# Altium PCB 12_fit_switch - 副本.PcbDoc (part 5 of 5)
Units mm, origin at the board's own origin, x right, y up, seen from the top; angles counter-clockwise.
Board outline 240 x 160 mm, 2 copper layers (TopLayer, BottomLayer), stack 1.6 mm thick; 457 components, 315 nets, 1374 pads, 212 vias.
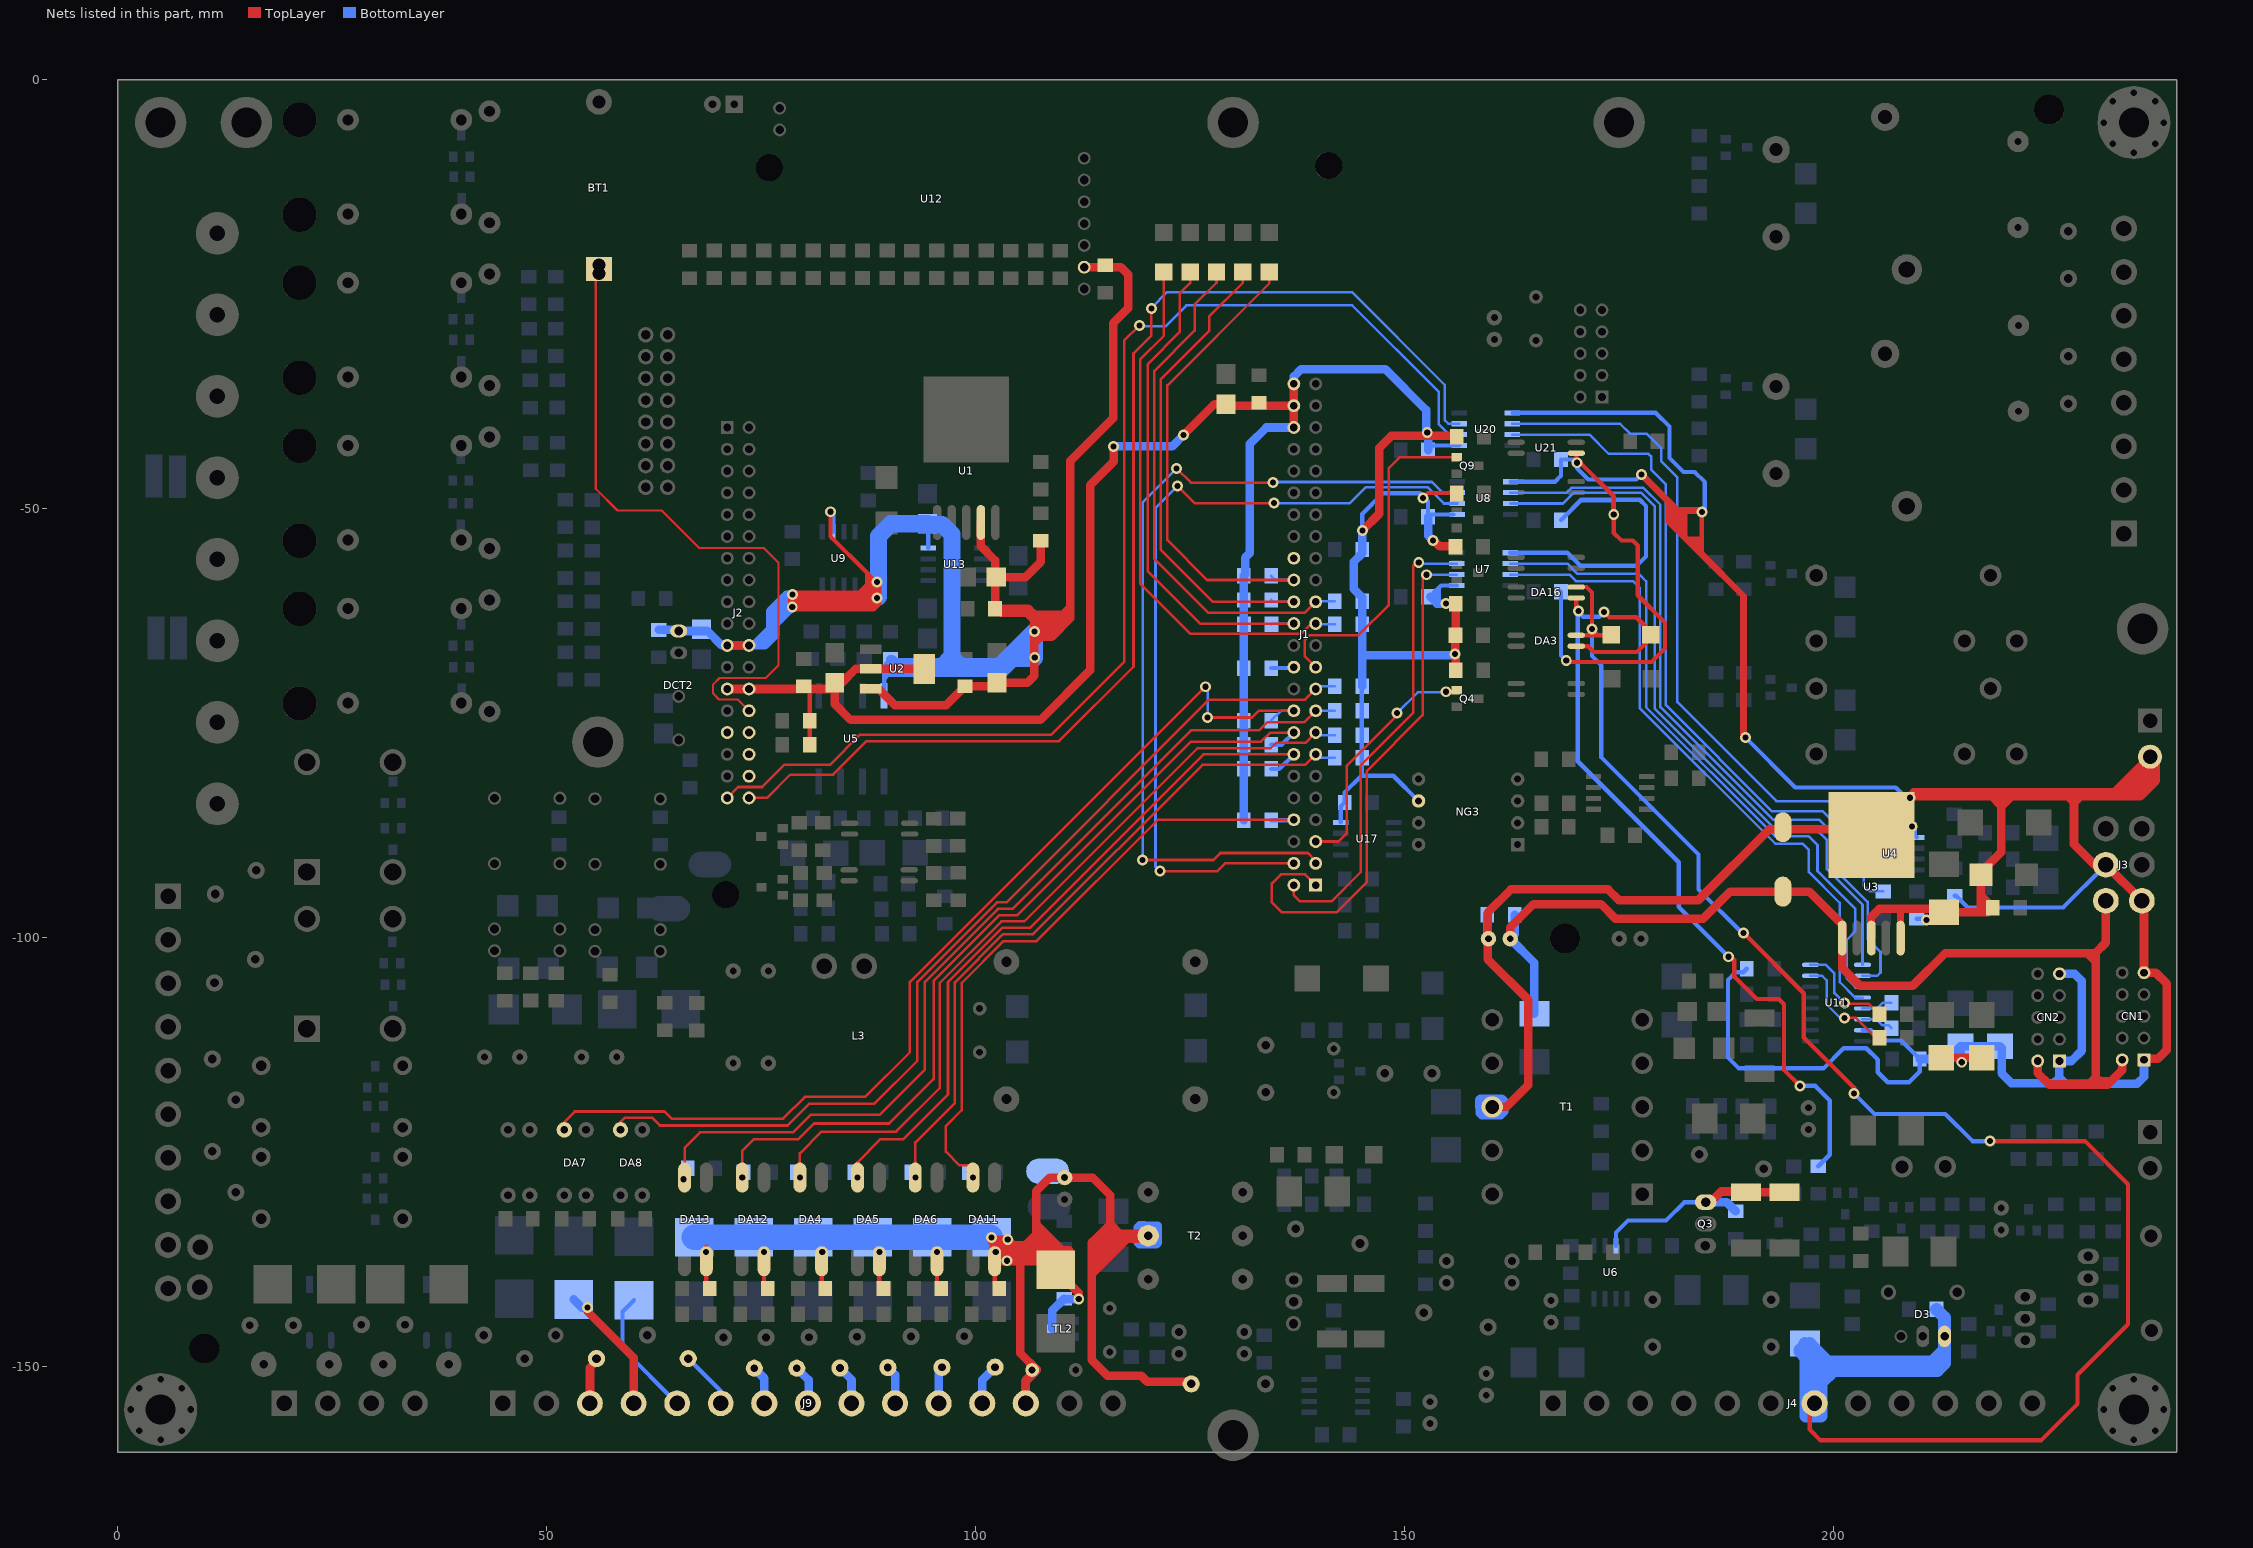
[diagram p5: the nets of this part, all layers, seen from the top]

## Via types
v1: diameter 1.27, hole 0.711, TopLayer to BottomLayer, 195 vias
v2: diameter 1, hole 0.5, TopLayer to BottomLayer, 9 vias
v3: diameter 1.2, hole 0.8, TopLayer to BottomLayer, 7 vias
v4: diameter 1.5, hole 0.8, TopLayer to BottomLayer, 1 vias

## Nets (pads, with @x,y where several pads share a name; then routed paths per layer and width w, separated by ;. In a path a pad name is that pad's centre, name@x,y a point inside that pad or via, vN(x,y) a via of type N, cw(c..) or ccw(c..) an arc to the next point about the centre after c; other vN are vias at no path point) (continued)
PWRCLSA: J1.5 Q4.1 | length 28.1
  TopLayer w0.3: J1.5@139.624,-88.8 142.264,-88.8 143.256,-87.808 143.256,-79.959 v1@149.022,-74.193 ; v1@154.813,-71.425 155.839,-71.425 Q4.1@156.078,-71.186
  BottomLayer w0.3: v1(149.098,-73.838) 151.536,-71.399 v1@154.813,-71.399
  other v1: 154.813,-71.349
REV1: J2.30
REV2: J2.32
REV3: J2.29
RRXD3: U8.6 U11.10 | length 89.1
  BottomLayer w0.3: U8.6@162.333,-48.133 168.875,-48.133 169.438,-47.57 177.83,-47.57 179.807,-49.546 179.807,-73.121 192.969,-86.284 198.323,-86.284 199.949,-87.909 199.949,-91.821 203.96,-95.832 203.96,-100.15 205.461,-101.651 205.461,-104.089 205.105,-104.445 U11.10@203.36,-104.445
RRXD4: U7.6 U11.11 | length 78.1
  BottomLayer w0.3: U7.6@162.282,-56.413 168.961,-56.413 170.155,-57.607 177.292,-57.607 178.156,-58.471 178.156,-73.167 193.152,-88.163 197.079,-88.163 198.12,-89.205 198.12,-92.253 202.54,-96.672 202.54,-99.238 201.524,-100.254 201.524,-104.75 202.489,-105.715 U11.11@203.36,-105.715
RXD485: R105.2 U4.1 U20.7 | length 84.6
  BottomLayer w0.3: U20.7@162.561,-41.377 171.552,-41.377 173.787,-43.612 178.41,-43.612 178.714,-43.917 178.714,-45.441 180.442,-47.168 180.442,-72.907 192.822,-85.288 198.75,-85.288 200.762,-87.3 200.762,-91.288 201.6,-92.126 U4.1@203.504,-92.126 203.504,-93.903 204.216,-94.615 R105.2@205.791,-94.615
RXD2323: R112.1 U11.7 | length 12.8
  TopLayer w0.3: v1@201.244,-109.601 201.498,-109.347 202.591,-109.347 R112.1@205.334,-112.09
  BottomLayer w0.3: U11.7@197.3,-104.445 198.653,-104.445 199.194,-104.985 199.194,-107.779 v1@201.003,-109.588
  other v1: 201.244,-109.347
RXD2324: R109.1 U11.14 | length 3.8
  BottomLayer w0.3: U11.14@203.36,-109.525 204.978,-109.525 205.689,-110.236 206.426,-110.236 R109.1@206.731,-110.541
SHD-: D4.1 DA3.3 DA16.3 R9.2 | length 102.2
  TopLayer w0.5: DA3.3@169.997,-66.03 171.364,-66.03 172.034,-66.7 177.063,-66.7 178.678,-65.086 D4.1@178.678,-64.719 178.678,-64.352 176.987,-62.662 173.863,-62.662 v1(173.253,-62.052) ; v1@169.997,-61.59 DA16.3@169.997,-60.406 ; v1(187.757,-102.235) 187.808,-102.184 187.808,-102.235 188.036,-102.235 188.417,-102.616 188.417,-104.547 191.033,-107.163 193.599,-107.163 194.208,-107.772 194.208,-115.418 v1(196.063,-117.272) v1@195.758,-117.272
  BottomLayer w0.5: v1(173.253,-62.052) 172.695,-62.611 170.79,-62.611 170.18,-62.001 170.18,-79.451 181.94,-91.211 181.94,-96.418 v1(187.757,-102.235) ; v1@195.758,-117.272 v1(196.063,-117.272) 197.841,-117.272 199.542,-118.974 199.542,-125.298 R9.2@198.196,-126.645
  other v1: 170.256,-61.925
SPI1_MOSI: J1.32
TTXD3: U8.7 U11.9 | length 84.4
  BottomLayer w0.3: U8.7@162.333,-49.403 168.453,-49.403 169.687,-48.17 177.582,-48.17 179.172,-49.759 179.172,-73.335 193.061,-87.224 197.79,-87.224 199.212,-88.646 199.212,-92.017 203.36,-96.164 U11.9@203.36,-103.175 ; U8.7@162.772,-49.323 U8.7@162.929,-49.479
TTXD4: U7.7 U11.12 | length 76.6
  BottomLayer w0.3: U7.7@162.282,-57.683 169.189,-57.683 169.951,-58.445 176.632,-58.445 177.419,-59.233 177.419,-73.279 193.192,-89.052 196.367,-89.052 197.104,-89.789 197.104,-92.354 200.711,-95.961 200.711,-105.181 202.514,-106.985 U11.12@203.36,-106.985
TX_24V: C26.1 C27.1 C53.1 CN1.2 CN2.2 D44.2 J3.5 U3.1 | length 136.9
  TopLayer w1: C53.1@162.001,-100.127 162.281,-99.847 162.281,-98.831 165.024,-96.088 172.872,-96.088 174.574,-97.79 184.785,-97.79 187.944,-94.631 C27.1@194.081,-94.631 197.146,-94.631 200.99,-98.476 U3.1@200.99,-100.051 200.99,-103.556 203.048,-105.613 209.22,-105.613 213.03,-101.803 229.565,-101.803 ; CN2.2@223.774,-114.376 223.774,-115.773 225.12,-117.119 229.718,-117.119 ; 231.546,-117.119 231.419,-117.119 ; J3.5@231.724,-95.707 231.724,-100.609 230.53,-101.803 ; CN1.2@233.629,-114.249 233.629,-115.443 232.334,-116.738 ; 229.565,-101.803 230.53,-102.768 ; 229.565,-101.803 230.53,-101.803 ; 229.718,-117.119 230.53,-116.307 ; 229.718,-117.119 230.581,-117.119 ; 230.53,-116.307 230.53,-117.069 230.581,-117.119 ; 230.53,-116.307 230.962,-116.738 ; 230.53,-116.307 230.53,-116.23 ; 230.53,-116.23 230.53,-102.768 ; 230.53,-116.23 231.038,-116.738 ; 230.53,-102.768 230.53,-101.803 ; 230.581,-117.119 231.343,-117.119 ; 230.962,-116.738 231.343,-117.119 ; 230.962,-116.738 231.038,-116.738 ; 231.038,-116.738 232.334,-116.738 ; 231.038,-116.738 231.419,-117.119 ; 231.343,-117.119 231.419,-117.119 ; 231.419,-117.119 231.953,-117.119 232.334,-116.738
  BottomLayer w1: C26.1@162.839,-97.333 162.839,-99.594 C53.1@162.306,-100.127 165.126,-102.946 D44.2@165.126,-108.858
TX_GND: C1.1 C12.2 C26.2 C27.2 C42.1 C45.1 C53.2 C58.1 C67.1 C71.1 C72.1 CN1.1 CN1.9 CN2.1 CN2.9 COX2.2 D40.1 D41.1 D42.1 D43.1 D45.1 J3.3 J3.6 R106.1 T1.8 U3.3 U3.5 U4.5 U7.5 U8.5 U11.15 U20.5 U21.3 | length 670.6
  TopLayer w0.5: v1(168.834,-67.716) 168.478,-67.716 168.631,-67.869 178.765,-67.869 180.34,-66.294 180.34,-63.271 177.165,-60.096 177.165,-54.305 176.581,-53.721 175.26,-53.721 174.371,-52.832 v1(174.371,-50.698) 174.371,-48.565 170.485,-44.679 v1@170.078,-44.679 ; U21.3@169.997,-43.536 v1@169.997,-44.699 ; v1(170.078,-44.653) v1@170.078,-44.679 ; v1(189.713,-76.683) v1@189.662,-76.632 ; v1(210.82,-97.942) 211.943,-97.942 D45.1@212.852,-97.034 ; v1@169.997,-44.699 170.028,-44.729 v1@170.058,-44.699 ; v1@169.997,-44.699 v1@170.058,-44.699 ; v1@170.058,-44.699 v1@170.078,-44.679 ; v1(177.597,-45.999) 180.67,-49.073 180.67,-49.301 ; v1(177.597,-45.999) 177.597,-46.228 180.67,-49.301 ; v1(177.597,-45.999) 177.775,-45.999 181.839,-50.063 ; 180.67,-50.241 180.823,-50.394 181.051,-50.394 ; 180.67,-50.241 180.67,-51.562 183.197,-54.089 ; 180.67,-50.241 180.67,-49.301 ; 180.67,-49.301 181.051,-49.682 ; 181.051,-50.394 181.051,-51.562 181.534,-52.045 ; 181.051,-50.394 181.051,-49.682 ; 181.051,-50.394 181.534,-50.394 ; 181.051,-49.682 181.432,-50.063 181.839,-50.063 ; 181.534,-52.045 181.534,-50.394 ; 181.534,-52.045 181.889,-52.4 ; 181.534,-50.394 181.889,-50.394 ; 181.839,-50.063 184.48,-50.063 184.48,-50.241 v1(184.633,-50.394) ; 181.889,-52.4 181.889,-50.394 ; 181.889,-52.4 182.118,-52.629 ; 181.889,-50.394 182.321,-50.394 ; 182.118,-52.629 182.118,-51.003 182.321,-50.8 ; 182.118,-52.629 182.321,-52.832 ; 182.321,-52.832 182.715,-53.226 ; 182.321,-52.832 182.321,-50.8 ; 182.321,-50.8 182.321,-50.394 ; 182.321,-50.8 182.728,-50.394 ; 182.321,-50.394 182.728,-50.394 ; 182.715,-53.226 182.728,-53.213 182.728,-50.394 ; 182.715,-53.226 182.969,-53.48 ; 182.728,-50.394 v1(184.633,-50.394) ; 182.969,-53.48 184.62,-53.48 184.633,-53.492 ; 182.969,-53.48 183.21,-53.721 ; 183.197,-54.089 183.578,-54.089 ; 183.197,-54.089 184.569,-55.461 ; 183.21,-53.721 183.578,-54.089 ; 183.21,-53.721 184.125,-53.721 ; 183.578,-54.089 184.493,-54.089 ; 183.578,-54.089 183.769,-54.28 ; 183.769,-54.28 184.582,-54.28 184.633,-54.331 ; 183.769,-54.28 184.633,-55.143 ; 184.125,-53.721 184.493,-54.089 ; 184.125,-53.721 184.404,-53.721 184.633,-53.492 ; 184.493,-54.089 184.633,-53.95 ; 184.569,-55.461 184.633,-55.397 184.633,-55.143 ; 184.569,-55.461 189.306,-60.198 189.306,-76.276 v1@189.662,-76.632 ; 184.633,-55.143 189.662,-60.173 v1@189.662,-76.632 ; 184.633,-55.143 184.633,-54.331 ; 184.633,-54.331 184.633,-53.95 ; 184.633,-53.95 184.633,-53.492 ; 184.633,-53.492 v1(184.633,-50.394)
  TopLayer w0.8: U3.5@207.794,-100.051 207.794,-96.803
  TopLayer w1: T1.8@160.198,-119.736 161.849,-119.736 164.393,-117.191 164.393,-107.243 159.69,-102.54 159.69,-97.079 162.382,-94.386 173.711,-94.386 174.981,-95.656 184.226,-95.656 192.507,-87.376 203.719,-87.376 U3.3@204.394,-88.051 ; U3.3@204.39,-100.051 204.39,-97.59 205.334,-96.647 212.465,-96.647 D45.1@212.852,-97.034 ; U3.3@204.39,-88.054 U3.3@204.394,-88.051 ; D42.1@212.547,-114.006 v1@215.036,-114.006 ; D45.1@212.903,-97.085 D45.1@212.852,-97.034 ; v1(214.935,-114.529) 214.935,-114.108 v1@215.036,-114.006 ; D43.1@217.246,-114.006 v1@215.036,-114.006 ; CN1.1@236.245,-114.325 CN1.1@236.169,-114.249 236.296,-114.122 237.795,-114.122 238.811,-113.106 238.811,-105.359 237.541,-104.089 CN1.9@236.169,-104.089 236.169,-95.952 J3.6@235.924,-95.707 J3.3@231.724,-91.507 230.394,-91.507 228.016,-89.129 228.016,-84.252 ; U3.3@204.394,-88.051 U3.3@208.909,-83.535 ; U3.3@208.909,-83.535 209.361,-83.083 219.431,-83.083 ; U3.3@208.909,-83.535 218.44,-83.535 ; D45.1@212.852,-97.034 217.297,-97.034 ; 217.16,-96.368 217.287,-96.495 C1.1@218.542,-96.495 ; 217.16,-96.368 217.16,-96.897 217.297,-97.034 ; 217.16,-96.368 217.16,-95.113 ; 217.16,-95.113 C12.2@217.16,-92.685 217.16,-92.39 219.532,-90.018 219.532,-84.627 ; 217.16,-95.113 C1.1@218.542,-96.495 ; 217.297,-97.034 218.002,-97.034 C1.1@218.542,-96.495 ; 218.44,-83.535 219.532,-84.627 ; 218.44,-83.535 219.532,-83.535 ; 219.431,-83.083 219.532,-83.185 219.532,-83.535 ; 219.431,-83.083 226.847,-83.083 ; 219.532,-84.627 219.532,-83.535 ; 219.532,-84.627 219.608,-84.627 220.701,-83.535 ; 219.532,-83.535 220.701,-83.535 ; 220.701,-83.535 227.299,-83.535 ; 226.847,-83.083 229.819,-83.083 ; 226.847,-83.083 227.299,-83.535 ; 227.299,-83.535 228.016,-83.535 ; 227.299,-83.535 228.016,-84.252 ; 228.016,-84.252 228.041,-84.252 228.758,-83.535 ; 228.016,-84.252 228.016,-83.535 ; 228.016,-83.535 228.758,-83.535 ; 228.016,-83.535 228.016,-83.134 229.159,-83.134 ; 228.758,-83.535 235.743,-83.535 237.541,-81.737 237.541,-79.57 COX2.2@236.88,-78.91 ; 228.758,-83.535 229.159,-83.134 ; 229.159,-83.134 229.87,-83.134 ; 229.819,-83.083 229.87,-83.134 ; 229.819,-83.083 232.707,-83.083 ; 229.87,-83.134 232.656,-83.134 ; 232.656,-83.134 233.604,-83.134 ; 232.656,-83.134 232.707,-83.083 ; 232.707,-83.083 233.655,-83.083 ; 232.707,-83.083 COX2.2@236.88,-78.91 ; 233.604,-83.134 233.655,-83.083 ; 233.604,-83.134 234.544,-83.134 ; 233.655,-83.083 COX2.2@236.88,-79.858 ; 233.655,-83.083 234.594,-83.083 ; 234.544,-83.134 234.594,-83.083 ; 234.544,-83.134 235.229,-83.134 235.28,-83.083 ; 234.594,-83.083 236.88,-80.797 ; 234.594,-83.083 235.28,-83.083 ; 235.28,-83.083 236.88,-81.483 236.88,-80.797 ; 236.88,-80.797 COX2.2@236.88,-79.858 ; COX2.2@236.88,-79.858 COX2.2@236.88,-78.91
  BottomLayer w0.5: U7.5@162.282,-55.143 168.072,-55.143 ; U8.5@162.333,-46.863 167.513,-46.863 168.224,-46.152 C42.1@168.224,-44.272 ; U20.5@162.561,-38.837 179.273,-38.837 180.873,-40.437 180.873,-44.094 182.499,-45.72 183.794,-45.72 184.988,-46.914 184.988,-50.038 v1(184.633,-50.394) ; 168.097,-55.169 168.072,-55.143 ; C58.1@168.224,-59.69 168.224,-67.107 v1(168.834,-67.716) ; C67.1@168.224,-51.333 C67.1@168.415,-51.143 ; C42.1@168.58,-44.272 169.697,-44.272 v1(170.078,-44.653) 170.078,-45.288 171.399,-46.609 176.987,-46.609 v1(177.597,-45.999) ; v1(174.371,-50.698) 174.371,-49.047 174.346,-49.022 170.535,-49.022 C67.1@168.415,-51.143 ; v1(189.713,-76.683) 195.529,-82.499 207.239,-82.499 208.432,-83.693 v1(208.89,-83.693) ; C71.1@189.865,-103.632 189.459,-104.038 188.57,-104.038 187.681,-104.927 187.681,-113.97 188.951,-115.24 198.806,-115.24 201.159,-112.886 203.793,-112.886 205.13,-114.224 205.13,-115.697 206.299,-116.865 208.788,-116.865 210.032,-115.621 C72.1@210.032,-114.148 207.876,-111.991 205.539,-111.991 204.343,-110.795 U11.15@203.36,-110.795 ; v1(209.118,-87.046) 208.966,-87.046 208.839,-86.919 208.991,-86.766 209.474,-86.766 209.474,-88.086 U4.5@209.704,-88.316 ; C45.1@209.677,-97.815 210.693,-97.815 v1(210.82,-97.942) ; R106.1@214.097,-95.123 214.249,-95.123 215.621,-96.495 226.746,-96.495 226.746,-96.486 J3.3@231.724,-91.507 ; 168.072,-55.143 168.961,-55.143 170.459,-56.642 177.063,-56.642 178.13,-55.575 178.13,-49.708 177.394,-48.971 170.586,-48.971 C67.1@168.415,-51.143
  BottomLayer w1: 158.775,-119.456 158.775,-119.736 ; C26.2@159.639,-97.333 159.639,-100 C53.2@159.766,-100.127 ; T1.8@160.198,-119.736 158.775,-119.736 ; C72.1@210.032,-114.148 213.295,-114.148 D40.1@214.782,-112.66 ; v1(214.935,-114.529) 214.782,-114.376 D40.1@214.782,-112.66 ; CN2.9@226.314,-104.216 228.067,-104.216 228.905,-105.054 228.905,-113.182 227.711,-114.376 CN2.1@226.314,-114.376 226.314,-116.307 ; CN1.1@236.169,-114.249 236.169,-116.23 235.382,-117.018 227.025,-117.018 226.314,-116.307 ; 158.775,-119.736 158.75,-119.736 158.699,-119.786 158.699,-118.897 158.826,-118.77 161.315,-118.77 161.62,-119.075 161.62,-120.269 161.214,-120.675 158.979,-120.675 158.775,-120.472 158.775,-119.736 ; D40.1@214.782,-112.66 D41.1@219.38,-112.66 219.583,-112.863 219.583,-115.824 220.726,-116.967 225.654,-116.967 226.314,-116.307
TXD485: R97.2 U4.4 U20.6 | length 81.9
  BottomLayer w0.3: U20.6@162.561,-40.107 175.108,-40.107 176.251,-41.25 178.181,-41.25 179.914,-42.983 179.914,-44.482 181.788,-46.355 181.788,-72.557 193.319,-84.088 200.242,-84.088 201.651,-85.496 203.048,-85.496 203.504,-85.952 U4.4@203.504,-88.316 203.784,-88.035 203.784,-85.496 R97.2@203.835,-85.446 ; R97.2@203.504,-85.726 R97.2@203.784,-85.446
TXD2323: R111.1 U11.8 | length 11.7
  TopLayer w0.3: v1@201.244,-107.696 204.089,-107.696 R111.1@205.334,-108.941
  BottomLayer w0.3: U11.8@197.3,-103.175 199.085,-103.175 200.076,-104.165 200.076,-106.451 v1(201.244,-107.62)
TXD2324: R108.1 U11.13 | length 3.7
  BottomLayer w0.3: U11.13@203.36,-108.255 205.054,-108.255 205.74,-107.569 R108.1@206.731,-107.569
UART7_RX: J1.4 U8.2 | length 97.2
  TopLayer w0.3: v1(121.463,-92.253) 128.168,-92.253 129.081,-91.34 J1.4@137.084,-91.34 ; v1(123.52,-47.346) 125.552,-49.378 134.729,-49.378 v1(134.747,-49.36)
  BottomLayer w0.3: v1(121.463,-92.253) 120.955,-91.745 120.955,-49.911 v1(123.52,-47.346) ; v1(134.747,-49.36) 143.604,-49.36 145.471,-47.493 152.649,-47.493 154.559,-49.403 U8.2@156.133,-49.403
UART7_TX: J1.3 U8.3 | length 102.4
  TopLayer w0.3: v1(119.456,-90.957) 127.711,-90.957 128.529,-90.14 138.714,-90.14 139.624,-91.05 J1.3@139.624,-91.34 ; v1(123.419,-45.314) 125.07,-46.965 v1(134.645,-46.965)
  BottomLayer w0.3: v1(119.456,-90.957) 119.456,-49.276 v1(123.419,-45.314) ; v1(134.645,-46.965) 134.717,-46.893 153.166,-46.893 154.407,-48.133 U8.3@156.133,-48.133
USART1_RX: J1.1 U7.2 | length 64.2
  TopLayer w0.3: J1.1@139.471,-93.701 138.405,-92.634 135.56,-92.634 134.518,-93.675 134.518,-95.885 135.687,-97.053 142.062,-97.053 145.593,-93.523 145.593,-80.569 152.095,-74.066 152.095,-58.141 152.451,-57.785 v1@152.73,-57.785
  BottomLayer w0.3: v1(152.527,-57.709) 152.146,-57.709 152.171,-57.683 U7.2@156.082,-57.683
USART1_TX: J1.2 U7.3 | length 55.1
  TopLayer w0.3: J1.2@137.084,-93.88 137.084,-95.072 137.795,-95.783 141.453,-95.783 144.856,-92.38 144.856,-79.923 151.003,-73.777 151.003,-56.617 151.638,-55.982 v1(151.638,-56.261)
  BottomLayer w0.3: v1(151.638,-56.261) 151.638,-55.982 152.07,-56.413 U7.3@156.082,-56.413
USART6_DIR: J1.21 Q9.1 | length 39.6
  TopLayer w0.3: J1.21@139.624,-68.48 138.328,-67.185 138.328,-65.354 138.943,-64.74 140.121,-64.74 140.125,-64.745 144.628,-64.745 148.158,-61.214 148.158,-45.263 149.388,-44.033 Q9.1@156.078,-44.033
USART6_RX: J2.35 U20.2 | length 139.6
  TopLayer w0.3: J2.35@71.044,-83.72 72.315,-82.448 75.108,-82.448 77.724,-79.832 83.058,-79.832 86.538,-76.352 108.814,-76.352 117.297,-67.869 117.297,-30.429 v1(119.075,-28.651)
  BottomLayer w0.3: v1@118.999,-28.753 122.123,-28.753 124.562,-26.314 143.891,-26.314 153.975,-36.398 153.975,-40.183 155.169,-41.377 U20.2@156.361,-41.377
USART6_TX: J2.36 U20.3 | length 139.5
  TopLayer w0.3: J2.36@73.584,-83.72 75.665,-83.72 78.384,-81.001 83.388,-81.001 87.3,-77.089 109.728,-77.089 118.389,-68.428 118.389,-31.902 120.472,-29.82 v1(120.472,-26.67) 120.294,-26.67 v1@120.193,-26.772
  BottomLayer w0.3: v1@120.472,-26.594 122.301,-24.765 143.866,-24.765 154.661,-35.56 154.661,-39.675 155.092,-40.107 U20.3@156.361,-40.107
VBAT: BT1.1 J2.28 | length 76.9
  TopLayer w0.254: BT1.1@56.083,-22.59 56.083,-22.865 55.713,-23.236 55.713,-47.686 58.242,-50.216 63.424,-50.216 67.793,-54.585 75.286,-54.585 77.013,-56.312 77.013,-68.25 75.514,-69.748 70.129,-69.748 69.393,-70.485 69.393,-71.552 70.079,-72.238 72.261,-72.238 J2.28@73.584,-73.56 ; J2.28@73.66,-73.533 J2.28@73.838,-73.711
VCC: C3.1 C4.1 C5.2 C17.1 C23.1 C24.2 C32.2 C39.2 C96.1 DCT2.2 J2.21 J2.22 R50.1 U1.4 U2.3 U5.8 U9.6 U12.10 U13.8 | length 306.6
  TopLayer w0.5: v1@83.007,-50.368 v1(83.083,-50.368) 83.083,-53.238 87.325,-57.48 ; 86.157,-60.02 87.325,-58.852 87.325,-57.48 ; 87.338,-59.652 87.808,-59.182 87.808,-57.963 ; v1(88.519,-58.572) 88.417,-58.572 87.808,-57.963 ; 87.325,-57.48 87.808,-57.963
  TopLayer w1: J2.21@71.044,-65.94 J2.22@73.584,-65.94 ; 87.338,-59.652 86.97,-60.02 ; U2.3@87.781,-70.982 88.66,-70.982 90.576,-72.898 96.571,-72.898 C23.1@98.755,-70.713 102.08,-70.713 C96.1@102.489,-70.305 106.022,-70.305 106.832,-69.494 106.832,-65.634 ; 87.808,-59.182 88.417,-58.572 88.417,-59.665 87.605,-60.477 ; v1(88.519,-58.572) v1(88.519,-60.427) ; U1.4@100.606,-51.613 100.606,-54.378 102.26,-56.032 C24.2@102.26,-61.036 ; C24.2@102.26,-61.646 C24.2@102.438,-61.646 ; C17.1@102.41,-57.988 105.816,-57.988 107.594,-56.21 R50.1@107.594,-53.746 ; U12.10@112.644,-21.859 114.895,-21.859 C32.2@115.113,-21.641 115.331,-21.859 116.931,-21.859 117.78,-22.708 117.78,-26.619 116.027,-28.372 116.027,-39.446 111.023,-44.45 111.023,-61.544 ; 78.638,-60.731 78.638,-61.443 v1(78.613,-61.468) 86.614,-61.468 ; 78.638,-60.731 v1(78.638,-60.02) 86.157,-60.02 86.97,-60.02 ; 78.638,-60.731 86.258,-60.731 86.97,-60.02 ; 86.614,-61.468 88.062,-61.468 88.214,-61.316 ; 86.614,-61.468 87.516,-60.566 ; 87.516,-60.566 87.605,-60.477 ; 87.516,-60.566 87.516,-60.617 88.214,-61.316 ; 87.605,-60.477 88.468,-60.477 v1(88.519,-60.427) ; 88.214,-61.316 88.519,-61.011 v1(88.519,-60.427) ; C24.2@102.438,-61.646 102.946,-62.154 105.994,-62.154 ; C24.2@102.438,-61.646 105.486,-61.646 ; 105.486,-61.646 106.121,-61.646 106.629,-62.154 ; 105.486,-61.646 105.994,-62.154 ; 105.994,-62.154 106.629,-62.154 ; 105.994,-62.154 106.832,-62.992 ; 106.629,-62.154 106.832,-62.357 ; 106.832,-65.634 v1(106.832,-64.313) ; 106.832,-65.634 107.544,-64.922 108.864,-64.922 111.023,-62.763 111.023,-61.544 ; v1(106.832,-64.313) 108.255,-64.313 109.042,-63.525 ; v1(106.832,-64.313) 106.832,-63.525 ; 106.832,-63.525 106.832,-63.017 ; 106.832,-63.525 109.042,-63.525 ; 106.832,-63.017 109.22,-63.017 109.385,-63.182 ; 106.832,-63.017 106.832,-62.992 ; 106.832,-62.992 106.832,-62.357 ; 106.832,-62.357 110.211,-62.357 ; 109.042,-63.525 109.385,-63.182 ; 109.385,-63.182 110.211,-62.357 ; 110.211,-62.357 111.023,-61.544
  BottomLayer w0.5: v1(83.083,-50.368) 83.388,-50.673 U9.6@83.388,-52.704 ; v1(88.519,-58.572) v1@88.671,-58.42 ; U5.8@89.332,-71.81 89.332,-69.825 ; C39.2@90.094,-67.361 90.246,-67.513 90.246,-67.538 90.246,-68.91 89.789,-69.367 ; C4.1@94.386,-51.763 94.487,-51.863 U13.8@94.487,-54.585 ; 104.699,-66.446 104.699,-67.462 104.699,-68.072 103.403,-69.367 89.789,-69.367 ; 89.332,-69.825 89.332,-69.164 89.56,-68.936 ; 89.332,-69.825 89.789,-69.367 ; 89.56,-68.936 89.56,-68.046 C39.2@90.068,-67.538 90.068,-68.428 89.56,-68.936
  BottomLayer w1: C5.2@63.068,-64.135 65.253,-64.135 DCT2.2@65.38,-64.262 68.732,-64.262 70.41,-65.94 J2.21@71.044,-65.94 J2.22@73.584,-65.94 J2.22@74.141,-65.94 ; 77.902,-60.985 77.876,-60.985 77.368,-61.493 77.368,-61.773 77.457,-61.862 77.457,-62.624 ; v1(78.638,-60.02) v1@78.613,-60.046 ; C39.2@90.068,-67.538 90.246,-67.538 90.271,-67.538 91.135,-68.402 ; J2.22@74.141,-65.94 75.411,-65.94 76.657,-64.694 76.657,-63.424 ; J2.22@74.141,-65.94 76.035,-64.046 ; 76.035,-64.046 76.035,-61.938 76.657,-61.316 ; 76.035,-64.046 76.657,-63.424 ; 76.657,-63.424 76.657,-61.316 ; 76.657,-63.424 77.457,-62.624 ; 76.657,-61.316 77.953,-60.02 78.588,-60.02 v1@78.613,-60.046 ; 77.457,-62.624 v1(78.613,-61.468) v1@78.613,-60.046
  BottomLayer w2: v1@88.671,-60.274 88.671,-58.42 88.671,-53.213 90.122,-51.763 C4.1@94.386,-51.763 ; 91.135,-68.402 96.063,-68.402 ; C4.1@93.599,-51.841 96.088,-51.841 97.231,-52.984 97.231,-67.386 ; 96.063,-68.402 97.079,-67.386 97.231,-67.386 ; 96.063,-68.402 98.247,-68.402 ; 97.231,-67.386 98.247,-68.402 ; 98.247,-68.402 102.743,-68.402 103.683,-67.462 ; 103.683,-67.462 104.699,-67.462 106.782,-67.462 106.832,-67.412 v1(106.832,-64.313) 104.699,-66.446 103.683,-67.462
  other v1: 106.883,-67.361
VCC33: C16.2 C18.1 C33.1 C35.1 C43.2 C64.2 C66.2 C70.2 J1.44 J1.46 J1.48 J2.25 J2.26 NG3.6 R1.2 R3.2 R5.2 R23.1 R31.2 R35.2 R36.1 R37.2 R38.2 R39.2 R40.2 R45.2 R53.2 R60.2 R63.2 R65.2 R72.2 R74.2 R75.2 R82.2 R116.1 R175.2 R176.2 U2.2 U7.1 U8.1 U17.8 U20.1 | length 321.4